# Allegro board LAY-27392_C.brd (continued)
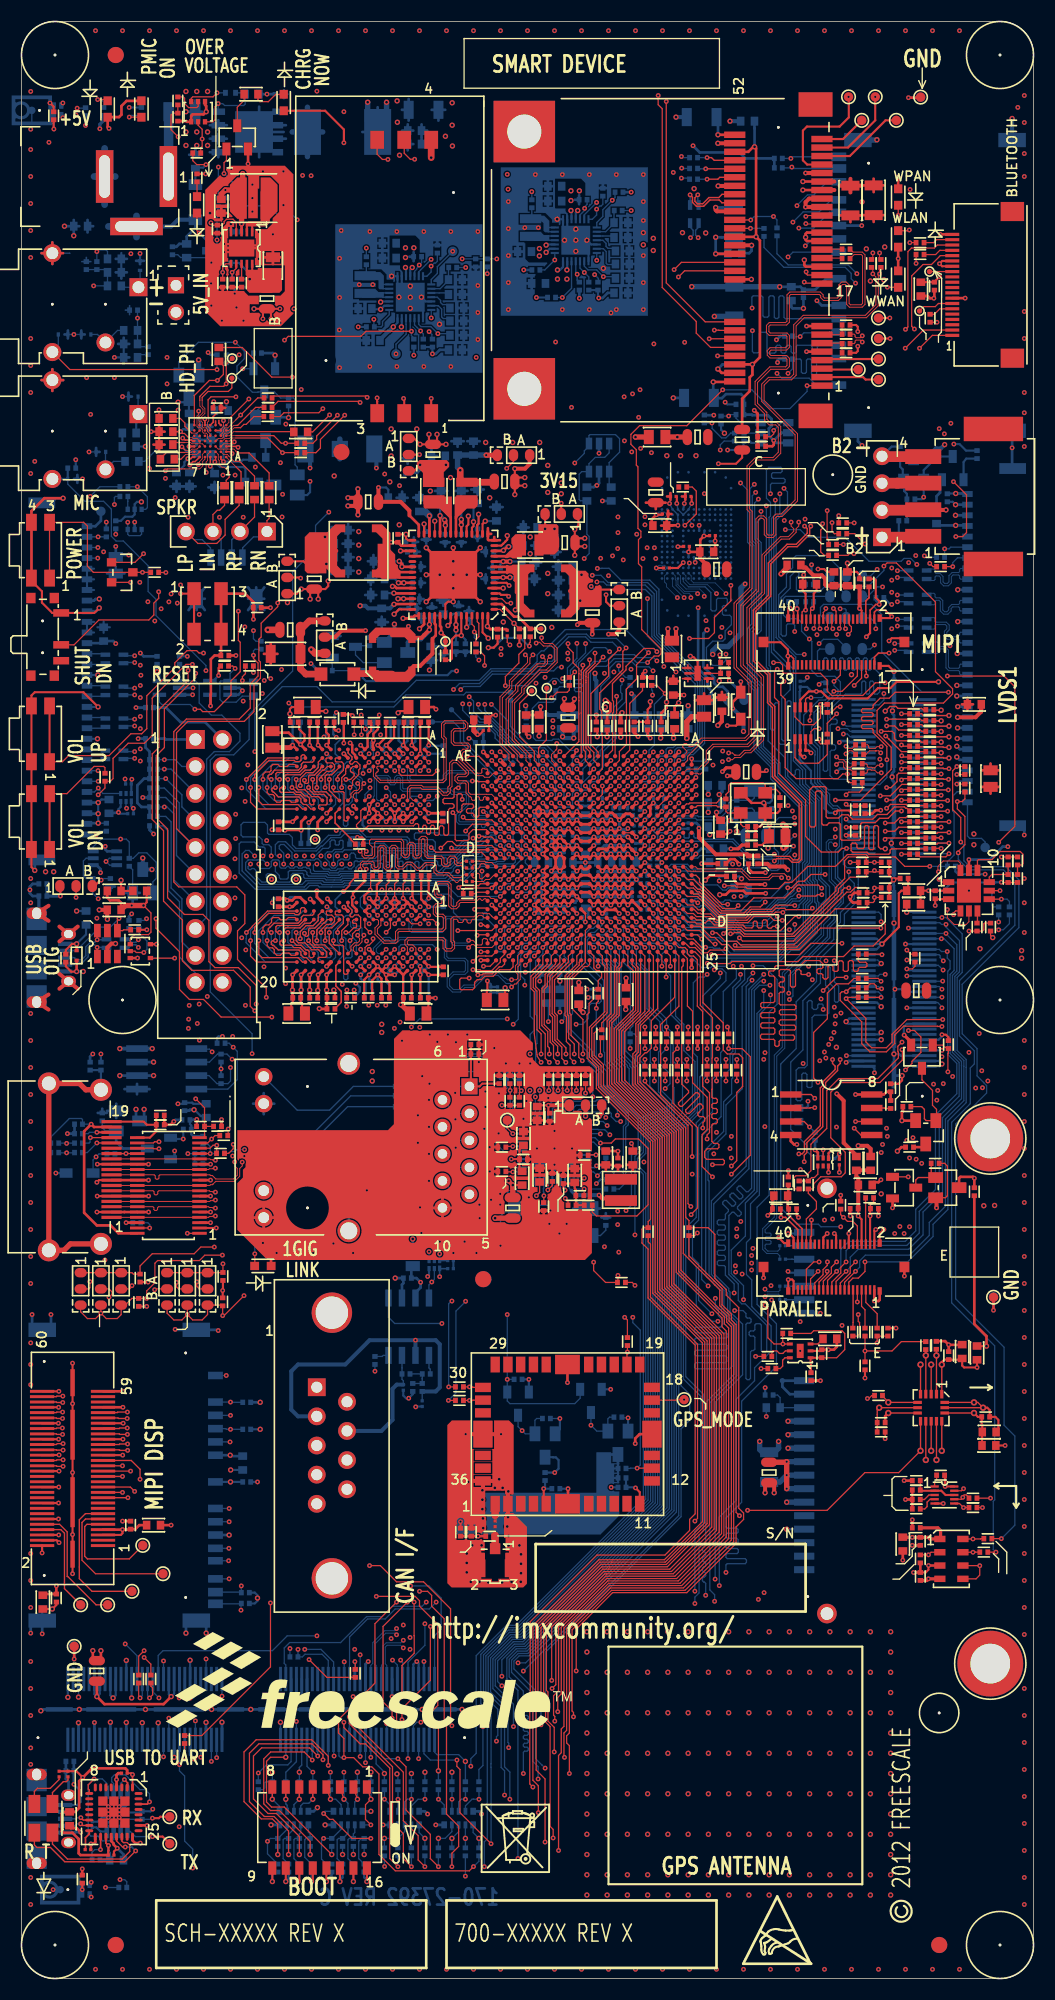
[diagram p0: board, top side]
## Routing (per net, layer and track width the routed paths; a pad name or vN(x,y) marks a point on that pad's centre or on a via; arc(x,y) is an arc through that point) (continued)
  vias: v1(21.03,127.18)
MIC: length 6.8
  TOP w0.119: C14.1 12.95,146.8 v1(12.95,147.6)
  BOTTOM w0.119: L509.1 11.61,142.75 12.95,144.09 v1(12.95,147.6)
MIC_IN: length 3.4
  TOP w0.076: 16.04,145.4 16.53,145.4 U7.F6
  TOP w0.119: 16.04,145.4 15.39,146.05 15.39,146.36 14.96,146.79 C14.2
MIC_RAW: length 3.8
  BOTTOM w0.119: L509.2 8.68,142.75 J4.4 7.92,143.62 TVS504.2
MICBIAS: length 12.1
  TOP w0.152: U7.A4 v1(17.78,142.29)
  L3_INT_1 w0.203: v2(11.68,144.15) 12.34,144.15 14.38,142.11 14.38,141.3 14.81,140.87 17.5,140.87 18.1,141.47 18.1,141.97 v1(17.78,142.29)
  BOTTOM w0.203: v1(17.78,142.29) 17.98,142.09 17.98,141.8 C549.1 ; R564.2 v2(11.68,144.15)
MICBIAS2_FLT: length 1.3
  BOTTOM w0.203: L507.1 R564.1
MICBIAS2_RAW: length 3.5
  BOTTOM w0.119: TVS503.2 10.99,147.25 11.02,147.22 J4.1
  BOTTOM w0.203: J4.1 10.81,146.98 L507.2
MICROPHONE_DET: length 60.5
  L3_INT_1 w0.114: v1(25.17,120.01) 25.27,120.11 25.27,122.94 24.3,123.91 19.03,123.91 18.19,123.06 v1(17.37,123.06)
  BOTTOM w0.119: R597.2 41.86,121.02 41.62,120.78 36.18,120.78 35.04,119.65 25.54,119.65 v1(25.17,120.01) ; v1(17.37,123.06) 17.37,123.55 12.67,128.24 12.67,129.77 11.93,130.51 11.93,132.92 9.6,135.26 8.92,135.26 8.47,135.7 8.47,138.26 7.75,138.99 5.99,138.99 4.38,140.61 TVS505.2
  BOTTOM w0.203: R568.2 4.38,142.11 TVS505.2 4.37,141.09 J4.6
MIPI_I2C_SCL: length 23
  TOP w0.119: v1(8.25,64.11) 8.55,64.4 8.55,64.6 8.25,64.9 R173.2
  TOP w0.127: J11.21 v1(9.52,45.75)
  L3_INT_1 w0.114: v1(9.52,45.75) 8.73,45.75 8.25,46.23 v1(8.25,64.11)
MIPI_I2C_SDA: length 25.2
  TOP w0.119: R175.2 12.62,64.9 v1(12.55,64.82)
  TOP w0.127: J11.23 10.26,46.25 v1(10.67,45.85)
  L3_INT_1 w0.114: v1(12.55,64.82) 11.68,64.82 11.18,64.31 11.18,62.53 11.85,61.86 11.85,47.03 v1(10.67,45.85)
MPCIE_1V5: length 37
  TOP w0.254: v2(69.13,163.87) 69.49,163.51 69.49,152.55 68.81,151.87 v2(68.78,151.87) ; v2(69.13,163.87) J1.28 ; v2(69.13,163.87) 69.13,172.2 v2(68.99,172.34) 68.87,172.34 68.4,171.87 J1.48 ; SH2.2 67.82,148.64 68.53,149.35 68.53,150.65 68.78,150.9 v2(68.78,151.87) ; v2(68.78,151.87) J1.6
  BOTTOM w0.254: v2(68.99,172.34) 68.99,174.07 68.98,174.08 C503.1 ; C535.1 67.41,151.87 v2(68.78,151.87)
MPCIE_3V3: length 58.3
  TOP w0.254: D7.A v1(82.5,161.82) D8.A ; C16.1 70.66,144.17 70.79,144.3 v1(70.79,144.7) ; J1.2 66.49,150.27 66.43,150.22 v2(65.1,150.22) ; D6.A v1(82.5,169.47) ; J1.41 v2(73.53,169.07) ; J1.24 v2(65.33,162.27) ; 79.17,168.71 C2.1 ; C2.1 80.19,169.35 ; C2.1 80.19,168.07 ; C2.1 81.2,168.71 ; J1.52 v2(65.54,173.47) ; v2(73.53,168.27) J1.39
  TOP w0.381: 76.99,168.68 C3.1 ; C3.1 78,168.05 ; C3.1 78,169.32 ; C3.1 79.02,168.68 ; J1.39 76.49,168.27 ; J1.41 76.49,169.07
  L3_INT_1 w0.254: v2(65.1,150.22) 66.5,150.22 66.83,150.55 66.83,160.77 v2(65.33,162.27)
  L3_INT_1 w0.508: v2(73.53,169.07) v2(73.53,168.27)
  BOTTOM w0.254: C537.1 65.1,148.77 65.1,148.82 ; U508.2 71.52,145.44 v1(70.79,144.7) ; v2(65.1,150.22) 65.1,148.82 ; 65.1,148.82 65.23,148.69 65.91,148.69 66.29,149.07 67.72,149.07 67.99,148.8 R560.2 C538.2 68.72,147.14 68.77,147.09 70.23,147.09 70.59,146.74 70.59,146.1 70.33,145.84 70.33,145.16 v1(70.79,144.7) ; v1(70.79,144.7) 71.01,144.49 U508.3 ; v2(65.54,173.47) 65.54,175 C502.1 ; C516.1 66.42,162.27 v2(65.33,162.27) v2(65.33,163.83) 65.91,163.83 65.92,163.83 C522.1
  vias: v1(83.62,168.33) v2(79.1,167.16)
MX6_ONOFF: length 96.7
  TOP w0.119: R22.1 12.94,132.29 v1(13.6,132.29)
  TOP w0.178: U1.D12 v1(61.07,106.61)
  L3_INT_1 w0.114: v1(65.91,127.13) 66.24,127.13 66.36,127.01 66.95,127.01 69.3,124.65 69.3,123.21 71.5,121.01 71.5,120.2 72.62,119.07 72.62,114.51 72.71,114.42 72.71,112.18 73.15,111.73 73.15,109.02 v1(72.77,108.64)
  L6_INT_2 w0.114: v1(13.6,132.29) 15.18,132.29 16.28,131.19 23.22,131.19 26.77,134.75 30.78,134.75 31.34,135.31 32.59,135.31 33.15,134.75 34.98,134.75 35.23,135 36.07,135 36.86,134.21 44.95,134.21 45.19,133.96 46.81,133.96 47.78,132.99 53.97,132.99 54.03,133.06 54.36,133.06 54.58,132.84 54.58,132.08 55.51,131.15 64.61,131.15 64.87,130.89 65.37,130.89 65.91,130.35 65.91,130.14 65.91,130.14 v1(65.91,127.13) ; v1(61.07,106.61) 61.45,107 62.8,107 63.12,107.31 64.01,107.31 64.39,106.93 65.41,106.93 66.01,107.54 68.8,107.54 68.96,107.7 71.83,107.7 v1(72.77,108.64)
Net_89: length 1.7
  BOTTOM w0.254: v1(77.6,109.09) 77.85,108.84 79.24,108.84
Net_132: length 0.6
  TOP w0.094: v1(60.27,114.61) 59.87,114.21
Net_134: length 0.6
  TOP w0.094: 59.87,115.01 v1(60.27,115.41)
Net_136: length 1.8
  TOP w0.127: 7.69,47.25 v1(9.52,47.25)
Net_137: length 0.6
  TOP w0.094: v1(59.47,114.61) 59.07,114.21
Net_138: length 0.6
  TOP w0.094: v1(59.47,115.41) 59.07,115.01
Net_170: length 2
  TOP w0.127: 1.96,54.76 3.29,54.76 3.35,54.81 v1(3.91,54.81)
Net_171: length 2
  TOP w0.127: v1(3.9,54.21) 3.35,54.21 3.29,54.26 1.96,54.26
Net_172: length 1.9
  TOP w0.127: 1.96,53.26 3.29,53.26 3.35,53.31 v1(3.89,53.31)
Net_173: length 1.9
  TOP w0.127: v1(3.88,52.71) 3.35,52.71 3.29,52.76 1.96,52.76
Net_174: length 1.9
  TOP w0.127: v1(3.87,51.81) 3.35,51.81 3.29,51.76 1.96,51.76
Net_175: length 1.9
  TOP w0.127: 1.96,51.26 3.29,51.26 3.35,51.21 v1(3.89,51.21)
Net_176: length 2
  TOP w0.127: v1(3.94,50.34) 3.69,50.34 3.69,50.34 3.38,50.34 3.3,50.26 1.96,50.26
Net_177: length 2
  TOP w0.127: v1(3.94,49.73) 3.32,49.73 3.29,49.76 1.96,49.76
Net_178: length 2
  TOP w0.127: v1(3.94,48.82) 3.36,48.82 3.3,48.76 1.96,48.76
Net_179: length 2
  TOP w0.127: 1.96,48.26 3.29,48.26 3.35,48.2 v1(3.93,48.2)
Net_1082: length 2.8
  TOP w0.127: 85.6,55 v3(85.6,57.78)
Net_1253: length 0.6
  TOP w0.178: 62.27,109.41 v1(62.67,109.81)
Net_1254: length 0.6
  TOP w0.127: 60.67,111.81 v1(61.07,112.21)
Net_1255: length 0.6
  TOP w0.127: v1(61.87,112.21) 61.47,111.81
NVCC_3V3: length 8.5
  TOP w0.119: 53.07,100.2 v1(53.07,99.41) ; 52.68,100.6 52.68,100.59
  TOP w0.127: U1.G15 58.67,104.21 v1(58.67,104.21)
  TOP w0.203: U1.G14 58.27,104.61 v1(58.67,105.01)
  TOP w0.254: 52.68,100.59 53.07,100.2 ; U1.J7 v1(57.07,110.61) ; v1(58.67,101.81) U1.G17 ; U1.P19 52.68,100.6 ; U1.P7 v1(52.27,110.61)
  BOTTOM w0.203: v2(67.76,103.49) 67.55,103.7 R727.2
  BOTTOM w0.254: v1(58.67,101.81) 58.12,101.81 C709.1 ; C630.1 52.52,110.86 v1(52.27,110.61) ; v1(53.07,99.41) 52.79,99.68 C725.1 ; C636.1 57.07,110.1 v1(57.07,110.61) ; v1(58.67,105.01) 58.76,105.01 59.02,104.75 C684.1
  BOTTOM w0.305: C693.1 58.87,104 v1(58.67,104.21)
NVCC_CSI: length 1.8
  TOP w0.203: v2(54.19,116.84) 54.19,117.39 R45.2
  TOP w0.254: v1(53.87,110.61) U1.N7
  BOTTOM w0.254: v1(53.87,110.61) 53.62,110.86 C629.1
NVCC_EIM: length 5.2
  TOP w0.254: U1.M19 v1(54.67,100.21) U1.L19 55.12,100.55 55.81,100.55 U1.K19 55.87,100.6 v1(56.26,100.21)
  TOP w0.381: v2(52.45,93.73) C69.1
  BOTTOM w0.254: v1(53.23,93.09) 53.23,93.08 R625.2
  BOTTOM w0.305: C724.1 54.7,100.18 v1(54.67,100.21)
  BOTTOM w0.381: v2(52.45,93.73) C69.1
NVCC_MIPI: length 1.8
  TOP w0.254: U1.K7 v1(56.27,110.61)
  TOP w0.381: v2(56.4,116.79) 56.39,116.8 R47.2
  BOTTOM w0.305: C637.1 56.31,110.57 v1(56.27,110.61)
NVCC_PLL_OUT: length 5.5
  TOP w0.203: U1.E8 v1(60.27,109.81)
  TOP w0.508: R208.2 63.07,118.72 62.61,118.26 v2(62.61,116.69)
  BOTTOM w0.305: v1(60.27,109.81) 60.27,109.92 60.45,110.11 C628.1
  BOTTOM w0.381: v2(62.61,116.69) 62.61,117.46 C605.1
NVCC_RGMII: length 2.2
  TOP w0.254: v1(58.67,101.01) U1.G18
  TOP w0.381: SH23.2 v2(53.09,81.15)
  BOTTOM w0.305: C723.1 58.89,100.79 v1(58.67,101.01)
NVCC_SD1: length 3.3
  TOP w0.254: v2(64.36,103.35) 64.78,103.77 66.24,103.77 R104.2 ; U1.G16 v1(58.67,102.61)
  BOTTOM w0.305: C695.1 58.87,102.82 v1(58.67,102.61)
ONFET_CTL: length 62.3
  TOP w0.119: v1(10.29,131.37) D4.2
  L6_INT_2 w0.114: v1(10.29,131.37) 10.82,131.9 12.24,131.9 13.11,132.77 15.09,132.77 16.43,131.42 23.14,131.42 26.68,134.96 26.68,134.96 26.9,135.18 30.53,135.18 31.08,135.73 35.72,135.73 36.18,135.27 45.33,135.27 45.93,135.27 47.89,133.31 52.67,133.31 v1(52.96,133.6)
  BOTTOM w0.119: U509.6 55.31,143.55 54.89,143.13 54.53,143.13 54.52,143.12 54,143.12 53.41,142.53 U509.3 52.73,141.78 52.49,141.54 52.49,139.16 52.6,139.04 53.2,139.04 R572.1 53.21,135.89 53.43,135.68 53.43,134.07 v1(52.96,133.6)
OTG_PWR_ON: length 8.8
  TOP w0.119: R103.2 v1(5.16,101.73)
  L3_INT_1 w0.114: v1(5.16,101.73) 6.78,101.73 7.98,102.92 v1(7.98,105.11)
  BOTTOM w0.119: Q512.2 8.28,105.41 v1(7.98,105.11) 8.32,104.76 Q512.3
OTG_PWR_ON_B: length 11.9
  BOTTOM w0.119: Q513.1 12.38,103.18 12.7,103.5 12.7,104.17 12.71,104.18 12.71,104.52 12.7,104.53 12.7,105.03 11.81,105.92 11.05,105.92 10.53,105.4 R615.2 10.16,106.93 9.88,107.21 v1(9.35,107.21) 7.49,107.21 6.77,106.49 Q512.6
OTG_SHELL_GND: length 16.2
  TOP w0.373: J505.S2 5.31,98.98 ; J505.S2 3.59,98.98 ; J505.S2 3.59,97.58 ; 2.57,91.17 J505.S3 2.57,92.59 ; 3.59,94.53 J505.S1 ; J505.S1 3.59,93.13 ; J505.S1 5.31,93.13 ; 2.57,99.52 J505.S4 2.57,100.94
  BOTTOM w0.254: R620.1 1.07,101.85 0.81,102.11 v1(0.81,102.44) 0.81,102.74 1.07,103 C697.1
  BOTTOM w0.305: J505.S4 1.66,100.44 R620.1
OTG_VBUS: length 25.8
  TOP w0.119: v2(11.5,100.97) 12.2,100.26 12.2,98.46 11.96,98.22 10.64,98.22 10.25,97.83 U13.1
  TOP w0.203: C62.1 11.8,101.27 v2(11.5,100.97)
  TOP w0.254: C61.1 8.09,101.72 8.36,101.45 9.17,101.45 9.39,101.23 L15.1
  TOP w0.508: L15.1 9.79,100.97 v1(10.39,100.97) v2(11.5,100.97)
  BOTTOM w0.119: R615.1 10.48,104.33 Q513.2
  BOTTOM w0.254: 8.93,80.97 Q514.2 ; Q514.2 9.8,81.65 ; Q514.2 8.07,81.65 ; Q514.2 8.93,82.32 ; 7.96,102.75 R617.1 ; R617.1 8.38,102.35 ; R617.1 8.8,102.75 ; U515.5 12.07,83.69 ; U515.5 9.71,83.69 ; U515.5 10.89,83.21 ; U515.5 10.89,84.18 ; 10.48,101.29 Q513.2 ; Q513.2 9.81,102.15 ; Q513.2 11.15,102.15 ; 7.2,81.45 R644.1 ; R644.1 8.04,81.45 ; R644.1 7.62,81.85
OTG_VBUS_CHGR: length 8.4
  BOTTOM w0.203: v1(38.68,152.86) R537.1 R538.1 ; v1(54.33,158.12) 54.25,158.19 R534.1 R535.1
  BOTTOM w0.254: v1(54.33,158.12) 54.69,158.12 55.17,158.6 C528.1 ; v1(38.68,152.86) 38.99,152.86 39.37,153.24 C529.1
  BOTTOM w0.381: v2(12.29,104.35) Q513.3 v2(11.43,105.43)
  vias: v2(2.29,104.14) v2(3.05,104.14)
OVPROT_5V: length 21.5
  BOTTOM w0.254: Q6.5 24.68,173.74 ; Q6.5 23.01,174.37 24.89,174.37 ; Q6.5 23.01,173.1 24.89,173.1 ; Q6.5 22.38,176.11 ; Q6.5 22.38,171.36 ; D501.C 25.03,177.29 ; D501.C 24.39,177.29 ; D501.C 24.71,176.92 ; D501.C 24.71,177.66
  BOTTOM w0.508: D502.A 28.36,173.74 ; D502.A 25.49,173.74 ; D502.A 26.92,171.41 ; D502.A 26.92,176.06
  vias: v1(27.81,177.57)
OVPROT_5VA: length 4.8
  TOP w0.119: R3.1 16.14,171.04 16.51,170.66 v1(17.37,170.66)
  BOTTOM w0.203: D503.C R505.2 16.47,170.38 17.12,170.38 17.3,170.56 17.3,170.59 v1(17.37,170.66)
OVPROT_5VB: length 3.1
  TOP w0.119: Q1.2 16.64,174.37 17.02,173.99 v1(17.02,173.08) 17.02,172.4 16.88,172.26 R3.2
OVPROT_5VC: length 14.4
  TOP w0.119: Q1.6 15.99,176.9 16.13,177.04 18.03,177.04 v1(18.41,177.42)
  L3_INT_1 w0.114: v1(18.54,170.43) 19.3,171.2 19.3,176.53 18.71,177.13 v1(18.41,177.42)
  BOTTOM w0.119: v1(18.54,170.43) 18.54,167.56 R520.2 ; D500.A v1(18.41,177.42)
OVPROT_5VD: length 3.1
  TOP w0.119: Q1.5 16.64,176.15 16.51,176.02 15.75,176.02 15.37,176.4 15.37,176.91 15.25,177.03 R1.2
OVPROT_5VE: length 8
  TOP w0.119: Q1.3 18.03,174.69 18.23,174.89 18.23,176.11 v1(18.53,176.4)
  BOTTOM w0.119: Q6.4 18.53,175.65 v1(18.53,176.4) 18.95,176.4 19.13,176.23 20.93,176.23 21.07,176.36 R500.1 20.94,177.42 D500.C
OVRPRTC: length 9
  BOTTOM w0.119: R520.1 18.49,166.34 18.41,166.27 v1(18.41,163.58) 18.41,162.18 18.15,161.91 Q503.1 15.55,161.93 14.99,161.93 14.73,162.19 R524.1
OVRPRTC_LED: length 3.9
  TOP w0.119: D5.C 16.54,164.44 v1(16.74,164.24)
  BOTTOM w0.203: v1(16.74,164.24) 17.46,163.51 Q503.3
OVRPRTC_LED_PWR: length 1.4
  TOP w0.119: D5.A R303.2
PCI3_UIM_CLK: length 37.4
  TOP w0.119: v1(64.72,154.28) 67.12,154.28 J1.12
  TOP w0.203: CON1.3 33.49,148.36 33.48,148.37 v1(33.48,148.72)
  L6_INT_2 w0.114: v1(33.48,148.72) 34.39,148.72 35.18,149.5 41.95,149.5 45.75,153.3 63.74,153.3 v1(64.72,154.28)
PCIE_CREFCLKM: length 2.8
  TOP w0.094: R8.1 C12.2 77.17,153.87 J1.11
PCIE_CREFCLKP: length 2.8
  TOP w0.094: J1.13 77.08,154.67 C11.2 R6.1
PCIE_CRXM: length 1.9
  TOP w0.094: J1.23 77.17,161.87 C7.2
PCIE_CRXP: length 1.9
  TOP w0.094: C6.2 75.37,162.71 J1.25
PCIE_CTXM: length 11.6
  TOP w0.094: v1(73.81,165.11) 73.85,165.07 J1.31 ; C4.2 80.75,161.87 v1(80.75,162.36)
  L6_INT_2 w0.097: v1(80.75,162.36) 80.75,161.99 80.54,161.78 80.54,161.59 80.31,161.36 79.43,161.36 75.51,165.28 73.97,165.28 v1(73.81,165.11)
PCIE_CTXP: length 11.3
  TOP w0.094: J1.33 73.89,165.87 v1(73.81,165.79) ; C5.2 80.11,161.87 v1(80.11,162.36)
  L6_INT_2 w0.097: v1(73.81,165.79) 74.09,165.51 75.61,165.51 79.53,161.59 80.22,161.59 80.31,161.69 80.31,161.78 80.11,161.99 v1(80.11,162.36)
PCIE_DIS_B: length 48.1
  TOP w0.119: R36.2 51.56,122.43 v1(52.07,122.94) ; J1.20 62.4,160.67 v1(61.82,160.1)
  L3_INT_1 w0.114: v1(61.82,160.1) 61.82,156.84 59,154.03 59,148.9 56.36,146.25 56.36,139.49 54.76,137.9 54.76,134.86 53.12,133.22 53.11,133.22 51.94,132.05 51.94,126.87 52.7,126.1 52.7,123.99 52.44,123.73 52.44,123.31 v1(52.07,122.94)
PCIE_PWR_EN: length 118.1
  TOP w0.119: R123.1 v1(60.71,87.5) ; v1(83.46,89.2) 84.02,89.2 84.63,88.6 84.63,87.15 83.79,86.31 83.79,86.11 v1(83.19,85.5)
  L6_INT_2 w0.114: v1(65.76,143.81) 66.19,143.39 66.81,143.39 66.95,143.54 73.43,143.54 74.7,144.81 84.28,144.81 89.64,139.45 89.64,126.22 90.22,125.63 90.22,124.49 91.57,123.15 91.57,107.88 91.57,107.07 91.45,106.95 91.45,105.84 91.45,104.74 91.5,104.69 91.5,103.57 91.3,103.37 91.3,101.51 90.7,100.91 90.7,97.99 89.03,96.32 89.03,95.3 88.19,94.47 88.19,94.28 87.74,93.84 87.74,91.91 87,91.17 86.77,90.93 85.19,90.93 v1(83.46,89.2) ; v1(83.19,85.5) 82.77,85.5 81.78,84.51 75.68,84.51 75.47,84.72 69.6,84.72 68.45,83.57 61.17,83.57 60.99,83.74 v1(60.58,83.74)
  BOTTOM w0.119: v1(60.71,87.5) 60.17,86.97 60.17,85.98 61.04,85.12 61.04,84.2 v1(60.58,83.74) ; v1(65.76,143.81) 65.76,144.3 66.12,144.66 R563.1
PCIE_PWR_ON: length 6.3
  BOTTOM w0.119: U508.5 69.52,145.41 R562.2 R563.2 66.75,145.41 66.3,144.96 65.89,144.96 65,145.85 65,146.33 v1(64.97,146.35) 64.27,146.35 R559.1
PCIE_PWR_R1: length 4.3
  BOTTOM w0.119: U508.6 67.66,146.39 67.24,146.81 ; C538.1 66.67,147.14 66.55,147.02 v1(66.55,147.01) R567.2
  BOTTOM w0.127: C538.1 67.24,146.81
PCIE_PWR_R2: length 2.9
  TOP w0.119: R15.1 70.51,145.06 70.79,145.34 v1(70.79,145.65)
  BOTTOM w0.119: U508.1 71.52,146.39 v1(70.79,145.65)
PCIE_REXT: length 2
  TOP w0.178: v1(63.07,114.77) U1.A2
  BOTTOM w0.119: R604.1 63.29,114.55 v1(63.07,114.77)
PCIE_RST_B: length 52.4
  TOP w0.119: J1.22 62.11,161.47 v1(61.42,160.78)
  L3_INT_1 w0.114: v1(61.42,160.78) 61.42,156.87 58.75,154.2 58.75,149.09 55.99,146.33 55.99,139.56 54.42,137.99 54.42,135.52 52.89,133.99 52.8,133.99 51.61,132.81 51.61,126.8 52.27,126.14 v1(52.27,125.63)
  BOTTOM w0.119: R596.2 49.54,121.86 50,122.33 50.39,122.33 50.54,122.18 50.54,122.15 50.77,121.92 51.09,121.92 51.38,122.21 51.38,123.32 51.98,123.92 51.98,123.93 52.27,124.22 v1(52.27,125.63)
PCIE_RXM: length 79.7
  TOP w0.094: U1.B1 62.61,115.35 62.61,115.49 62.23,115.87 62.23,116.05 62.38,116.2 62.56,116.2 62.83,115.93 63.19,115.93 63.97,116.71 68.07,116.71 68.45,117.09 68.45,121.92 67.06,123.32 67.06,129.41 68.53,130.89 68.53,137.94 68.28,138.2 68.28,142.32 69.06,143.1 70.72,143.1 71.22,143.6 71.22,145.93 70.97,146.18 70.36,146.18 69.92,146.62 69.92,147.23 69.04,148.11 69.04,150.26 70.42,151.64 71.91,151.64 72.03,151.77 72.03,152.35 71.91,152.48 70.44,152.48 70.18,152.74 70.18,153.18 70.44,153.44 71.91,153.44 72.03,153.57 72.03,154.5 71.94,154.6 70.36,154.6 70.1,154.86 70.1,155.54 70.36,155.8 71.91,155.8 72.03,155.93 72.03,158.41 72.3,158.67 75.18,158.67 75.44,158.41 75.44,158.24 75.56,158.12 76.78,158.12 76.91,158.24 76.91,159.35 77.17,159.61 77.62,159.61 77.88,159.35 77.88,157.61 78,157.48 79.02,157.48 79.15,157.61 79.15,162.08 79.03,162.2 78.35,162.2 C7.1
PCIE_RXP: length 79.7
  TOP w0.094: U1.B2 62.69,114.63 62.69,115.01 64.16,116.48 68.17,116.48 68.68,117 68.68,122.01 67.28,123.41 67.28,129.32 68.76,130.79 68.76,138.04 68.5,138.3 68.5,142.22 69.16,142.88 70.81,142.88 71.45,143.51 71.45,146.03 71.07,146.41 70.45,146.41 70.15,146.71 70.15,147.33 70.08,147.4 69.27,148.21 69.27,150.16 70.51,151.41 72,151.41 72.26,151.67 72.26,152.44 72,152.7 70.54,152.7 70.41,152.83 70.41,153.09 70.54,153.21 72,153.21 72.26,153.47 72.26,154.6 72.04,154.83 70.46,154.83 70.33,154.95 70.33,155.45 70.46,155.58 72,155.58 72.26,155.84 72.26,158.32 72.39,158.45 75.08,158.45 75.21,158.32 75.21,158.15 75.47,157.89 76.88,157.89 77.14,158.15 77.14,159.26 77.27,159.39 77.52,159.39 77.65,159.26 77.65,157.51 77.91,157.25 79.11,157.25 79.38,157.51 79.38,162.18 79.12,162.43 78.26,162.43 77.98,162.71 C6.1
PCIE_SMB_CLK: length 2.8
  TOP w0.119: J1.30 v1(68.6,164.67)
  BOTTOM w0.119: v1(68.6,164.67) 69.43,164.67 69.43,164.66 R521.2
PCIE_SMB_DATA: length 5
  TOP w0.119: v1(68.63,165.46) 67.14,165.46 J1.32
  BOTTOM w0.119: R517.2 71.09,165.46 v1(70.76,165.79) 68.96,165.79 v1(68.63,165.46)
PCIE_TXM: length 70.2
  TOP w0.094: U1.A3 63.63,113.41 63.7,113.33 63.91,113.33 64.11,113.54 64.11,113.92 64.67,114.48 64.67,115.43 65.15,115.91 68.41,115.91 69.26,116.76 69.26,122.25 67.92,123.59 67.92,129.14 69.34,130.55 69.34,137.24 69.49,137.39 69.75,137.39 69.9,137.24 69.9,135.85 70.16,135.59 70.73,135.59 70.99,135.85 70.99,137.46 71.09,137.56 71.57,137.56 73.02,139.02 73.02,145.34 69.89,148.48 69.89,149.92 70.39,150.42 72.47,150.42 72.9,150.85 72.9,155.5 73.66,156.26 79.5,156.26 80.63,157.39 80.63,160.26 v1(80.75,160.39) 80.75,160.86 C4.1
PCIE_TXP: length 70.5
  TOP w0.094: U1.B3 62.65,113.8 63.66,113.8 64.44,114.57 64.44,115.52 65.06,116.14 68.31,116.14 69.03,116.85 69.03,122.16 67.69,123.5 67.69,129.23 69.11,130.65 69.11,137.33 69.39,137.62 69.84,137.62 70.13,137.33 70.13,135.94 70.26,135.81 70.64,135.81 70.76,135.94 70.76,137.56 71,137.79 71.47,137.79 72.8,139.12 72.8,145.24 69.66,148.38 69.66,150.02 70.29,150.65 72.38,150.65 72.67,150.95 72.67,155.59 73.57,156.49 79.41,156.49 80.4,157.48 80.4,160.1 v1(80.11,160.39) 80.11,160.86 C5.1
PCIE_UIM_DATA: length 59.4
  TOP w0.119: v1(59.92,177.17) 59.92,176.3 60.3,175.92 60.3,159.11 63.5,155.91 63.5,154.81 64.84,153.47 J1.10 ; v1(34.49,171.15) 33.98,171.15 33.49,171.64 CON1.6
  L6_INT_2 w0.114: v1(59.92,177.17) 59.51,177.17 59.35,177.32 39.4,177.32 34.49,172.42 v1(34.49,171.15)
PCIE_UIM_PWR: length 31.6
  TOP w0.119: J1.8 v1(65.51,152.67)
  TOP w0.203: CON1.1 v1(38.57,148.67)
  L6_INT_2 w0.114: v1(65.51,152.67) 65.5,152.68 45.87,152.68 41.88,148.69 38.59,148.69 v1(38.57,148.67)
PCIE_UIM_RST: length 35.9
  TOP w0.119: v1(65.2,155.09) 65.62,155.09 65.64,155.07 J1.14
  TOP w0.203: v1(35.97,148.67) 36.03,148.61 CON1.2
  L6_INT_2 w0.114: v1(35.97,148.67) 36.53,148.67 37.01,149.15 41.96,149.15 45.8,152.98 64.16,152.98 65.2,154.03 v1(65.2,155.09)
PCIE_UIM_VPP: length 55.3
  TOP w0.119: J1.16 64.35,155.87 60.68,159.54 v1(60.68,176.61) ; v1(37.01,171.17) 36.59,171.17 36.03,171.74 CON1.5
  L6_INT_2 w0.114: v1(60.68,176.61) 55.5,176.61 55.03,177.08 40.35,177.08 37.01,173.74 v1(37.01,171.17)
PCIE_USB_DM: length 6.2
  TOP w0.135: v1(62.92,167.82) 63.14,167.6 63.14,167.11 63.51,166.75 64.2,166.75 64.79,167.34 65.66,167.34 65.92,167.07 J1.36
  BOTTOM w0.135: L500.2 v1(62.92,167.82)
PCIE_USB_DP: length 5.9
  TOP w0.135: J1.38 65.93,167.87 65.62,167.56 64.69,167.56 64.11,166.98 63.6,166.98 63.37,167.21 63.37,167.55 v1(63.64,167.82)
  BOTTOM w0.135: L500.3 63.64,166.94 v1(63.64,167.82)
PCIE_VP: length 3.1
  TOP w0.254: U1.H7 v1(57.87,110.61) ; R49.2 58.93,116.96 v1(59.17,116.72)
  BOTTOM w0.254: C635.1 57.59,110.34 v1(57.87,110.61)
  BOTTOM w0.381: v1(59.17,116.72) 58.93,116.96 C608.1
PCIE_VPH: length 2.7
  TOP w0.178: v1(58.67,110.61) U1.G7
  TOP w0.254: v2(60.15,116.71) 60.2,116.76 R50.2
  BOTTOM w0.254: v1(58.67,110.61) 58.67,110.65 C626.1
  BOTTOM w0.381: v2(60.15,116.71) 60.2,116.76 C607.1
PCIE_VPTX: length 3
  TOP w0.178: v1(58.67,109.81) U1.G8
  TOP w0.254: L13.2 61.34,117.46 61.34,116.74 v2(61.37,116.71)
  BOTTOM w0.254: v1(58.67,109.81) 58.55,109.93 C640.1
  BOTTOM w0.381: L13.2 61.34,117.46 61.34,116.74 v2(61.37,116.71)
PCIE_WAKE_B: length 61.6
  TOP w0.119: J1.1 v1(73.92,149.87) ; v1(58.92,123.82) 59.53,124.43 59.97,124.43 60.2,124.66 60.2,125.09 58.37,126.92 58.37,132.82 58.06,133.12 58.06,135.38 58.29,135.61 58.29,136.17 58.01,136.45 58.01,142.24 57.86,142.39 57.86,143.84 57.35,144.35 57.35,145.29 58.17,146.1 62.61,146.1 v1(65.99,149.48) ; v1(52.27,113.81) 52.67,113.41 U1.P3
  BOTTOM w0.119: v1(58.92,123.82) 57.89,123.82 57.71,124 57.52,124.19 55.78,124.19 55.06,123.47 54,123.47 53.54,123.01 53.54,115.01 52.34,113.81 v1(52.27,113.81) ; v1(65.99,149.48) 68.73,149.48 70.5,147.71 72.31,147.71 73.92,149.33 v1(73.92,149.87)
PENIRQ_B: length 1.2
  TOP w0.127: R110.2 89.95,99.35 U11.6
PHY_CLKO: length 11.5
  L3_INT_1 w0.114: v1(47.85,83.57) 47.85,85.24 48.39,85.78 48.39,88.72 49.59,89.92 v1(49.59,90.04)
  BOTTOM w0.119: R626.1 49.59,91.62 v1(49.59,90.04)
  BOTTOM w0.127: U516.25 47.97,82.8 47.85,82.92 v1(47.85,83.57)
PHY_RST: length 4.3
  TOP w0.127: R161.2 52.95,73.71 v1(52.95,74.3)
  BOTTOM w0.119: U516.2 51.97,74.53 52.2,74.3 v1(52.95,74.3) R659.2
PHY_RX_CLK: length 5.5
  TOP w0.119: R146.1 v1(53.09,83.31)
  BOTTOM w0.119: U516.33 51.17,82.66 51.46,82.96 52.73,82.96 v1(53.09,83.31) R146.1
PHY_XTLI: length 8.9
  BOTTOM w0.119: U516.7 49.97,74.49 50.14,74.32 50.14,73.39 49.97,73.21
  BOTTOM w0.127: 49.97,73.21 49.53,72.77 47.21,72.77 Y500.3 46.57,72.14 45.47,72.14 45.08,71.75 C750.1
PHY_XTLO: length 9.7
  BOTTOM w0.119: U516.6 50.37,74.41 50.39,74.39 50.39,73.63 50.37,73.61 50.37,73.29 50.37,73.29 50.37,71.17 51.62,69.92 51.76,69.92 51.76,69.92 51.88,69.92 51.89,69.92 Y500.1
  BOTTOM w0.127: Y500.1 54.49,69.92 54.99,70.42 C748.1
PMIC_5V: length 30.9
  TOP w0.119: U16.1 v1(15.62,70.13)
  TOP w0.254: 90.35,112.12 R68.1 ; R68.1 92.02,112.12 ; R68.1 91.19,111.49
  TOP w0.381: v1(72.11,104.32) 71.8,104.63 70.45,104.63 70.2,104.88 R302.1
  TOP w0.635: SH14.1 27.64,124.69 v2(27.28,125.04) ; SH15.1 v2(23.19,126.9)
  L3_INT_1 w0.114: v1(15.62,70.13) 15.62,76.76 16.12,77.26 16.12,81.01 16.26,81.14 v2(16.26,81.75)
  L6_INT_2 w0.635: v2(16.26,81.75) 15.76,82.24 15.76,82.26 13.36,84.66 13.36,85.31 12.94,85.73 12.94,85.74 v2(12.45,86.23)
  BOTTOM w0.203: C743.1 17.26,81.15 16.89,81.15 16.29,81.75 v2(16.26,81.75)
  BOTTOM w0.254: C742.1 15.79,81.67 15.88,81.75 v2(16.26,81.75) ; U515.7 v2(12.45,86.23)
  vias: v2(89.62,107.7) v2(89.62,106.68)
PMIC_INT_B: length 31.8
  TOP w0.119: v1(45.54,121.64) 45.54,122.5 46.81,123.77 46.81,124.59 47.37,125.15 47.37,126.82 47.2,126.99 R28.2 46.86,127 v2(46.35,127.51) 45.04,128.82 U8.1
  TOP w0.178: U1.P6 v1(53.07,111.41)
  L3_INT_1 w0.114: v1(50.83,123.39) 52.45,121.77 52.45,119 51.98,118.53 51.98,117.38 51.44,116.84 51.44,116.06 51.06,115.68 51.06,115.28 50.78,115 50.47,115 50.28,114.81 50.28,113.65 50.51,113.42 50.8,113.42 51.05,113.17 51.05,112.87 51.31,112.62 51.6,112.62 51.88,112.35 51.88,112.05 52.11,111.82 52.4,111.82 52.82,111.41 v1(53.07,111.41)
  BOTTOM w0.119: v1(50.83,123.39) 50.44,123.39 50.09,123.04 49,123.04 47.6,121.64 v1(45.54,121.64)
PMIC_LED_ON: length 2.4
  TOP w0.119: v1(10.16,175.13) 11.29,175.13 D2.A
  BOTTOM w0.119: v1(10.16,175.13) 10.32,175.29 R507.2
PMIC_ON_REQ: length 80.5
  TOP w0.119: R30.2 45.72,125.73 v1(45.97,125.48)
  TOP w0.178: U1.D11 v1(61.07,107.41)
  L3_INT_1 w0.114: v1(64.42,127.77) 65.15,127.03 65.15,126.11 65.53,125.73 66.55,125.73 68.66,123.62 68.66,122.94 70.85,120.74 70.85,119.93 71.98,118.8 71.98,114.24 72.06,114.15 72.06,111.66 72.14,111.58 v1(72.14,110.36)
  L3_INT_1 w0.254: v1(45.97,125.48) 45.97,127.05 45.85,127.18 45.85,128.12 44.75,129.21 44.75,135.53 48.51,139.29 49.68,139.29 50.62,140.23 51.41,140.23 51.66,140.49 v1(54.15,140.49)
  L6_INT_2 w0.114: v1(72.14,110.36) 71.12,110.36 70.45,109.69 66.61,109.69 66.04,109.12 66.04,108.55 65.54,108.05 64.41,108.05 64.19,107.82 61.48,107.82 v1(61.07,107.41) ; v1(64.42,127.77) 64.13,128.06 63.97,128.06 63.09,128.93 60.15,128.93 59.56,128.34 53.15,128.34 52.86,128.63 51.81,128.63 51.59,128.41 48.9,128.41 v1(45.97,125.48)
  BOTTOM w0.254: U509.2 54.36,140.69 v1(54.15,140.49) 54.15,140.61 53.86,140.32 R572.2
PMIC_SCL: length 2.8
  TOP w0.119: R306.2 42.77,125.99 43.05,126.26 43.05,127.51 42.9,127.67 U8.54
PMIC_SDA: length 2.8
  TOP w0.119: U8.53 42.4,127.43 42.62,127.2 v1(42.62,126.7)
  BOTTOM w0.119: v1(42.62,126.7) 42.62,126.16 42.77,126.01 R550.2
PMIC_STBY_REQ: length 68.3
  TOP w0.178: v1(59.47,107.41) U1.F11
  TOP w0.203: v1(45.85,130.05) 45.71,130.19 45.13,130.19 45,130.32 U8.4
  L3_INT_1 w0.114: v1(66.67,126.62) 69.09,124.21 69.09,123.12 71.29,120.92 71.29,120.11 72.41,118.98 72.41,114.42 72.49,114.33 72.49,112.09 72.94,111.64 72.94,109.65 72.75,109.45 v1(72.75,109.25)
  L6_INT_2 w0.114: v1(66.67,126.62) 65.95,126.62 65.95,126.63 65.81,126.63 65.53,126.9 65.53,129.57 65,130.1 65,130.45 64.52,130.94 60.45,130.94 60.1,130.58 58.66,130.58 57.48,129.4 53.71,129.4 52.83,130.28 50.57,130.28 50.11,129.82 49.2,129.82 48.97,130.05 v1(45.85,130.05)
  BOTTOM w0.119: v1(59.47,107.41) 59.08,107.02 59.08,106.45 59.33,106.2 62.83,106.2 63.08,105.95 63.08,105.65 63.31,105.42 63.63,105.42 63.87,105.66 67.44,105.66 67.72,105.38 67.94,105.38 68.37,104.95 70.49,104.95 70.74,104.7 70.94,104.7 71.03,104.79 71.06,104.79 71.24,104.97 71.24,105.95 70.84,106.35 70.84,108.79 71.3,109.25 v1(72.75,109.25)
